# Altium PCB PCB1.PcbDoc (part 8 of 15) (continued)
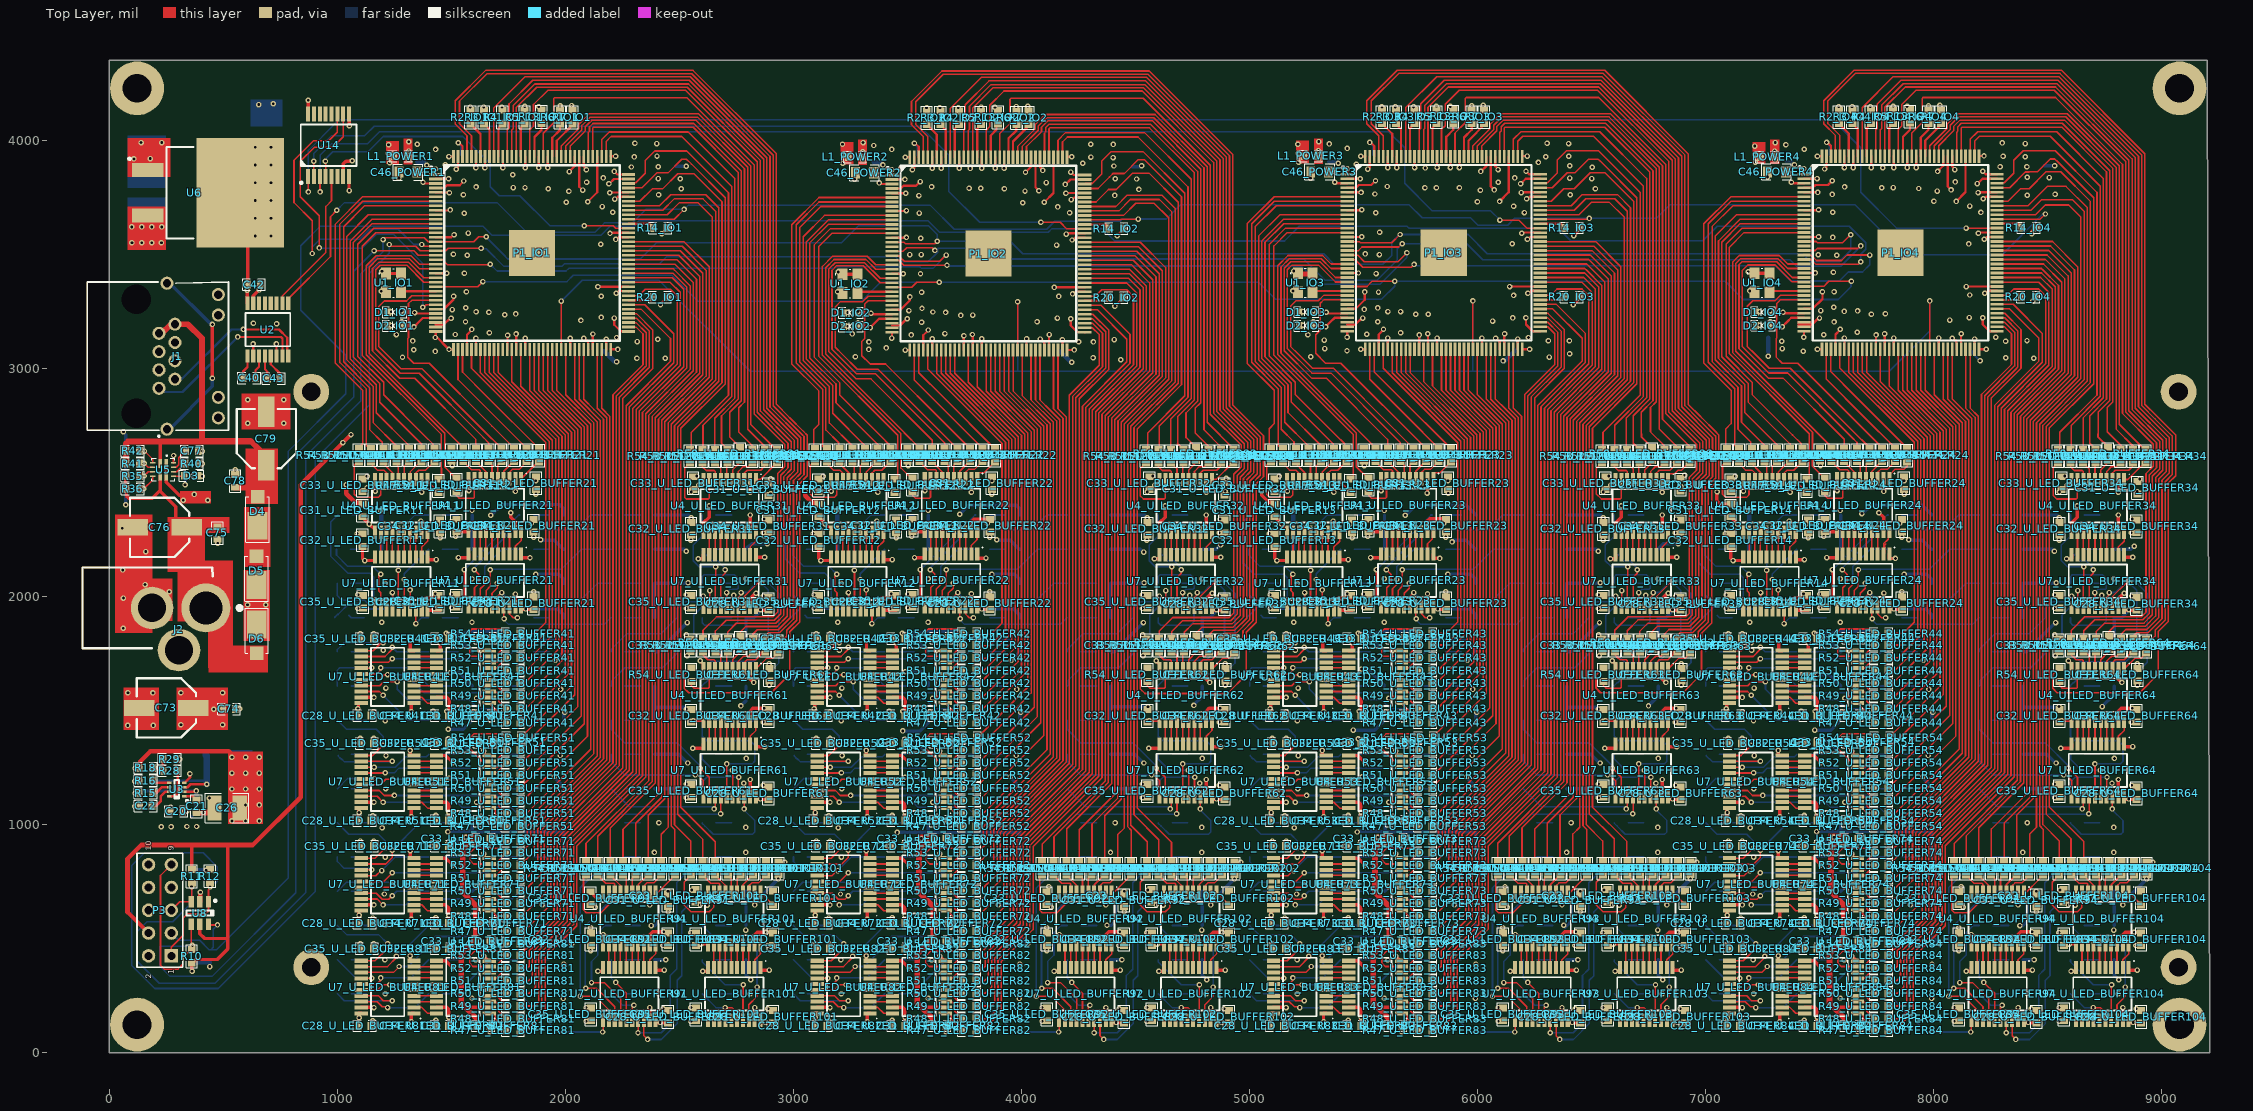
[diagram p0: Top Layer view]
## Nets (pads, with @x,y where several pads share a name; then routed paths per layer and width w, separated by ;. In a path a pad name is that pad's centre, name@x,y a point inside that pad or via, vN(x,y) a via of type N, cw(c..) or ccw(c..) an arc to the next point about the centre after c; other vN are vias at no path point) (continued)
  Bottom Layer w7: R45_U_LED_BUFFER62.2@4200.63,1457.16 4200.63,1417.16 4260.63,1357.16 4490.47,1357.16 4590.63,1257 v2(4590.63,1247.16)
L_OUT7_U_LED_BUFFER63: R45_U_LED_BUFFER63.2 U7_U_LED_BUFFER63.12 | length 648.6
  Top Layer w7: v2(6590.63,1247.16) 6631.06,1206.73 U7_U_LED_BUFFER63.12@6631.06,1121.5
  Bottom Layer w7: R45_U_LED_BUFFER63.2@6200.63,1457.16 6200.63,1417.16 6260.63,1357.16 6490.47,1357.16 6590.63,1257 v2(6590.63,1247.16)
L_OUT7_U_LED_BUFFER64: R45_U_LED_BUFFER64.2 U7_U_LED_BUFFER64.12 | length 648.6
  Top Layer w7: v2(8590.63,1247.16) 8631.06,1206.73 U7_U_LED_BUFFER64.12@8631.06,1121.5
  Bottom Layer w7: R45_U_LED_BUFFER64.2@8200.63,1457.16 8200.63,1417.16 8260.63,1357.16 8490.47,1357.16 8590.63,1257 v2(8590.63,1247.16)
L_OUT7_U_LED_BUFFER71: R45_U_LED_BUFFER71.2 U7_U_LED_BUFFER71.12 | length 389
  Top Layer w7: U7_U_LED_BUFFER71.12@1104.96,826.73 1212.02,826.73 1240.63,855.34 v2(1240.63,887.16)
  Bottom Layer w7: v2(1240.63,887.16) 1360.63,1007.16 R45_U_LED_BUFFER71.2@1400.63,1007.16
L_OUT7_U_LED_BUFFER72: R45_U_LED_BUFFER72.2 U7_U_LED_BUFFER72.12 | length 389
  Top Layer w7: U7_U_LED_BUFFER72.12@3104.96,826.73 3212.02,826.73 3240.63,855.34 v2(3240.63,887.16)
  Bottom Layer w7: v2(3240.63,887.16) 3360.63,1007.16 R45_U_LED_BUFFER72.2@3400.63,1007.16
L_OUT7_U_LED_BUFFER73: R45_U_LED_BUFFER73.2 U7_U_LED_BUFFER73.12 | length 389
  Top Layer w7: U7_U_LED_BUFFER73.12@5104.96,826.73 5212.02,826.73 5240.63,855.34 v2(5240.63,887.16)
  Bottom Layer w7: v2(5240.63,887.16) 5360.63,1007.16 R45_U_LED_BUFFER73.2@5400.63,1007.16
L_OUT7_U_LED_BUFFER74: R45_U_LED_BUFFER74.2 U7_U_LED_BUFFER74.12 | length 389
  Top Layer w7: U7_U_LED_BUFFER74.12@7104.96,826.73 7212.02,826.73 7240.63,855.34 v2(7240.63,887.16)
  Bottom Layer w7: v2(7240.63,887.16) 7360.63,1007.16 R45_U_LED_BUFFER74.2@7400.63,1007.16
L_OUT7_U_LED_BUFFER81: R45_U_LED_BUFFER81.2 U7_U_LED_BUFFER81.12 | length 367.7
  Top Layer w7: U7_U_LED_BUFFER81.12@1104.96,376.73 1220.2,376.73 v2@1260.63,417.16
  Bottom Layer w7: v2@1262.53,419.07 R45_U_LED_BUFFER81.2@1400.63,557.16
  other v2: 1259.5,422.1
L_OUT7_U_LED_BUFFER82: R45_U_LED_BUFFER82.2 U7_U_LED_BUFFER82.12 | length 367.7
  Top Layer w7: U7_U_LED_BUFFER82.12@3104.96,376.73 3220.2,376.73 v2@3260.63,417.16
  Bottom Layer w7: v2@3262.53,419.07 R45_U_LED_BUFFER82.2@3400.63,557.16
  other v2: 3259.5,422.1
L_OUT7_U_LED_BUFFER83: R45_U_LED_BUFFER83.2 U7_U_LED_BUFFER83.12 | length 367.7
  Top Layer w7: U7_U_LED_BUFFER83.12@5104.96,376.73 5220.2,376.73 v2@5260.63,417.16
  Bottom Layer w7: v2@5262.53,419.07 R45_U_LED_BUFFER83.2@5400.63,557.16
  other v2: 5259.5,422.1
L_OUT7_U_LED_BUFFER84: R45_U_LED_BUFFER84.2 U7_U_LED_BUFFER84.12 | length 367.7
  Top Layer w7: U7_U_LED_BUFFER84.12@7104.96,376.73 7220.2,376.73 v2@7260.63,417.16
  Bottom Layer w7: v2@7262.53,419.07 R45_U_LED_BUFFER84.2@7400.63,557.16
  other v2: 7259.5,422.1
L_OUT7_U_LED_BUFFER91: R45_U_LED_BUFFER91.2 U7_U_LED_BUFFER91.12 | length 862
  Top Layer w7: v2(2065.88,245.89) 2131.91,245.89 2191.06,186.73 U7_U_LED_BUFFER91.12@2191.06,141.5
  Bottom Layer w7: v2(2065.88,245.89) 2065.88,722.41 R45_U_LED_BUFFER91.2@2200.63,857.16
L_OUT7_U_LED_BUFFER92: R45_U_LED_BUFFER92.2 U7_U_LED_BUFFER92.12 | length 862
  Top Layer w7: v2(4065.88,245.89) 4131.91,245.89 4191.06,186.73 U7_U_LED_BUFFER92.12@4191.06,141.5
  Bottom Layer w7: v2(4065.88,245.89) 4065.88,722.41 R45_U_LED_BUFFER92.2@4200.63,857.16
L_OUT7_U_LED_BUFFER93: R45_U_LED_BUFFER93.2 U7_U_LED_BUFFER93.12 | length 862
  Top Layer w7: v2(6065.88,245.89) 6131.91,245.89 6191.06,186.73 U7_U_LED_BUFFER93.12@6191.06,141.5
  Bottom Layer w7: v2(6065.88,245.89) 6065.88,722.41 R45_U_LED_BUFFER93.2@6200.63,857.16
L_OUT7_U_LED_BUFFER94: R45_U_LED_BUFFER94.2 U7_U_LED_BUFFER94.12 | length 862
  Top Layer w7: v2(8065.88,245.89) 8131.91,245.89 8191.06,186.73 U7_U_LED_BUFFER94.12@8191.06,141.5
  Bottom Layer w7: v2(8065.88,245.89) 8065.88,722.41 R45_U_LED_BUFFER94.2@8200.63,857.16
L_OUT7_U_LED_BUFFER101: U7_U_LED_BUFFER101.12
L_OUT7_U_LED_BUFFER102: U7_U_LED_BUFFER102.12
L_OUT7_U_LED_BUFFER103: U7_U_LED_BUFFER103.12
L_OUT7_U_LED_BUFFER104: U7_U_LED_BUFFER104.12
L_OUT8_U_LED_BUFFER11: R46_U_LED_BUFFER11.2 U7_U_LED_BUFFER11.11 | length 567.5
  Top Layer w7: U7_U_LED_BUFFER11.11@1165.5,1941.84 v2@1165.5,1985.23 ; v2(1165.47,1985.26) v2@1165.53,1985.26
  Bottom Layer w7: R46_U_LED_BUFFER11.2@1003.33,2357.99 970.63,2325.29 970.63,2177.16 1046.51,2101.29 1143.82,2101.29 1151.92,2093.19 1160.63,2084.48 1160.63,1990.1 v2(1165.47,1985.26)
L_OUT8_U_LED_BUFFER12: R46_U_LED_BUFFER12.2 U7_U_LED_BUFFER12.11 | length 580.1
  Top Layer w7: U7_U_LED_BUFFER12.11@3165.5,1941.84 v2(3165.53,1985.26) ; v2@3165.47,1985.26 v2(3165.53,1985.26)
  Bottom Layer w7: R46_U_LED_BUFFER12.2@3003.33,2357.99 2964.57,2319.22 2964.57,2165.35 3026.95,2102.97 3137.19,2102.97 3165.53,2074.63 v2(3165.53,1985.26)
L_OUT8_U_LED_BUFFER13: R46_U_LED_BUFFER13.2 U7_U_LED_BUFFER13.11 | length 586.6
  Top Layer w7: U7_U_LED_BUFFER13.11@5165.5,1941.84 v2@5165.5,1985.23 ; v2(5165.47,1985.26) v2@5165.53,1985.26
  Bottom Layer w7: R46_U_LED_BUFFER13.2@5003.33,2357.99 4970.63,2325.29 4970.63,2147.3 5020.76,2097.17 5150.63,2097.17 5165.47,2082.32 v2(5165.47,1985.26)
L_OUT8_U_LED_BUFFER14: R46_U_LED_BUFFER14.2 U7_U_LED_BUFFER14.11 | length 586.6
  Top Layer w7: v2(7165.18,1985.16) v2(7165.18,1985.16) ; U7_U_LED_BUFFER14.11@7165.21,1941.75 v2(7165.18,1985.16)
  Bottom Layer w7: R46_U_LED_BUFFER14.2@7003.04,2357.89 6970.34,2325.2 6970.34,2147.21 7020.47,2097.07 7150.34,2097.07 7165.18,2082.23 v2(7165.18,1985.16)
L_OUT8_U_LED_BUFFER21: R46_U_LED_BUFFER21.2 U7_U_LED_BUFFER21.11 | length 514.5
  Top Layer w7: v2@1556.37,2118.07 1556.37,1996.45 1576.07,1976.75 U7_U_LED_BUFFER21.11@1576.07,1954.83
  Bottom Layer w7: v2(1556.73,2117.64) 1640.63,2201.54 1796.25,2357.16 R46_U_LED_BUFFER21.2@1800.63,2357.16
L_OUT8_U_LED_BUFFER22: R46_U_LED_BUFFER22.2 U7_U_LED_BUFFER22.11 | length 514.5
  Top Layer w7: v2@3556.37,2118.07 3556.37,1996.45 3576.07,1976.75 U7_U_LED_BUFFER22.11@3576.07,1954.83
  Bottom Layer w7: v2(3556.73,2117.64) 3640.63,2201.54 3796.25,2357.16 R46_U_LED_BUFFER22.2@3800.63,2357.16
L_OUT8_U_LED_BUFFER23: R46_U_LED_BUFFER23.2 U7_U_LED_BUFFER23.11 | length 514.5
  Top Layer w7: v2@5556.37,2118.07 5556.37,1996.45 5576.07,1976.75 U7_U_LED_BUFFER23.11@5576.07,1954.83
  Bottom Layer w7: v2(5556.73,2117.64) 5640.63,2201.54 5796.25,2357.16 R46_U_LED_BUFFER23.2@5800.63,2357.16
L_OUT8_U_LED_BUFFER24: R46_U_LED_BUFFER24.2 U7_U_LED_BUFFER24.11 | length 514.5
  Top Layer w7: v2@7556.37,2118.07 7556.37,1996.45 7576.07,1976.75 U7_U_LED_BUFFER24.11@7576.07,1954.83
  Bottom Layer w7: v2(7556.73,2117.64) 7640.63,2201.54 7796.25,2357.16 R46_U_LED_BUFFER24.2@7800.63,2357.16
L_OUT8_U_LED_BUFFER31: R46_U_LED_BUFFER31.2 U7_U_LED_BUFFER31.11 | length 585.1
  Top Layer w7: U7_U_LED_BUFFER31.11@2605.47,1951.5 v2@2605.47,2001.25
  Bottom Layer w7: R46_U_LED_BUFFER31.2@2200.63,1757.16 2200.63,1767.16 2270.63,1837.16 2420.63,1837.16 2490.63,1907.16 2490.63,1947.16 2520.63,1977.16 2580.63,1977.16 v2(2605.32,2001.86)
L_OUT8_U_LED_BUFFER32: R46_U_LED_BUFFER32.2 U7_U_LED_BUFFER32.11 | length 585.1
  Top Layer w7: U7_U_LED_BUFFER32.11@4605.47,1951.5 v2@4605.47,2001.25
  Bottom Layer w7: R46_U_LED_BUFFER32.2@4200.63,1757.16 4200.63,1767.16 4270.63,1837.16 4420.63,1837.16 4490.63,1907.16 4490.63,1947.16 4520.63,1977.16 4580.63,1977.16 v2(4605.32,2001.86)
L_OUT8_U_LED_BUFFER33: R46_U_LED_BUFFER33.2 U7_U_LED_BUFFER33.11 | length 585.1
  Top Layer w7: U7_U_LED_BUFFER33.11@6605.47,1951.5 v2@6605.47,2001.25
  Bottom Layer w7: R46_U_LED_BUFFER33.2@6200.63,1757.16 6200.63,1767.16 6270.63,1837.16 6420.63,1837.16 6490.63,1907.16 6490.63,1947.16 6520.63,1977.16 6580.63,1977.16 v2(6605.32,2001.86)
L_OUT8_U_LED_BUFFER34: R46_U_LED_BUFFER34.2 U7_U_LED_BUFFER34.11 | length 585.1
  Top Layer w7: U7_U_LED_BUFFER34.11@8605.47,1951.5 v2@8605.47,2001.25
  Bottom Layer w7: R46_U_LED_BUFFER34.2@8200.63,1757.16 8200.63,1767.16 8270.63,1837.16 8420.63,1837.16 8490.63,1907.16 8490.63,1947.16 8520.63,1977.16 8580.63,1977.16 v2(8605.32,2001.86)
L_OUT8_U_LED_BUFFER41: R46_U_LED_BUFFER41.2 U7_U_LED_BUFFER41.11 | length 332.5
  Top Layer w7: U7_U_LED_BUFFER41.11@1104.96,1762.32 1158.13,1762.32 1192.97,1797.16 v2(1200.63,1797.16)
  Bottom Layer w7: R46_U_LED_BUFFER41.2@1000.63,1757.16 1000.63,1767.16 1030.63,1797.16 v2(1200.63,1797.16)
L_OUT8_U_LED_BUFFER42: R46_U_LED_BUFFER42.2 U7_U_LED_BUFFER42.11 | length 332.5
  Top Layer w7: U7_U_LED_BUFFER42.11@3104.96,1762.32 3158.13,1762.32 3192.97,1797.16 v2(3200.63,1797.16)
  Bottom Layer w7: R46_U_LED_BUFFER42.2@3000.63,1757.16 3000.63,1767.16 3030.63,1797.16 v2(3200.63,1797.16)
L_OUT8_U_LED_BUFFER43: R46_U_LED_BUFFER43.2 U7_U_LED_BUFFER43.11 | length 332.5
  Top Layer w7: U7_U_LED_BUFFER43.11@5104.96,1762.32 5158.13,1762.32 5192.97,1797.16 v2(5200.63,1797.16)
  Bottom Layer w7: R46_U_LED_BUFFER43.2@5000.63,1757.16 5000.63,1767.16 5030.63,1797.16 v2(5200.63,1797.16)
L_OUT8_U_LED_BUFFER44: R46_U_LED_BUFFER44.2 U7_U_LED_BUFFER44.11 | length 332.5
  Top Layer w7: U7_U_LED_BUFFER44.11@7104.96,1762.32 7158.13,1762.32 7192.97,1797.16 v2(7200.63,1797.16)
  Bottom Layer w7: R46_U_LED_BUFFER44.2@7000.63,1757.16 7000.63,1767.16 7030.63,1797.16 v2(7200.63,1797.16)
L_OUT8_U_LED_BUFFER51: R46_U_LED_BUFFER51.2 U7_U_LED_BUFFER51.11 | length 383.2
  Top Layer w7: U7_U_LED_BUFFER51.11@1104.96,1302.32 1155.79,1302.32 v2(1200.63,1347.16)
  Bottom Layer w7: R46_U_LED_BUFFER51.2@1000.63,1457.16 1040.63,1417.16 1170.63,1417.16 1200.63,1387.16 v2(1200.63,1347.16)
L_OUT8_U_LED_BUFFER52: R46_U_LED_BUFFER52.2 U7_U_LED_BUFFER52.11 | length 383.2
  Top Layer w7: U7_U_LED_BUFFER52.11@3104.96,1302.32 3155.79,1302.32 v2(3200.63,1347.16)
  Bottom Layer w7: R46_U_LED_BUFFER52.2@3000.63,1457.16 3040.63,1417.16 3170.63,1417.16 3200.63,1387.16 v2(3200.63,1347.16)
L_OUT8_U_LED_BUFFER53: R46_U_LED_BUFFER53.2 U7_U_LED_BUFFER53.11 | length 383.2
  Top Layer w7: U7_U_LED_BUFFER53.11@5104.96,1302.32 5155.79,1302.32 v2(5200.63,1347.16)
  Bottom Layer w7: R46_U_LED_BUFFER53.2@5000.63,1457.16 5040.63,1417.16 5170.63,1417.16 5200.63,1387.16 v2(5200.63,1347.16)
L_OUT8_U_LED_BUFFER54: R46_U_LED_BUFFER54.2 U7_U_LED_BUFFER54.11 | length 383.2
  Top Layer w7: U7_U_LED_BUFFER54.11@7104.96,1302.32 7155.79,1302.32 v2(7200.63,1347.16)
  Bottom Layer w7: R46_U_LED_BUFFER54.2@7000.63,1457.16 7040.63,1417.16 7170.63,1417.16 7200.63,1387.16 v2(7200.63,1347.16)
L_OUT8_U_LED_BUFFER61: R46_U_LED_BUFFER61.2 U7_U_LED_BUFFER61.11 | length 540.8
  Top Layer w7: v2(2570.63,1217.16) 2580.63,1217.16 2605.47,1192.32 U7_U_LED_BUFFER61.11@2605.47,1121.5
  Bottom Layer w7: R46_U_LED_BUFFER61.2@2200.63,1307.16 2200.63,1277.16 2260.63,1217.16 v2(2570.63,1217.16)
L_OUT8_U_LED_BUFFER62: R46_U_LED_BUFFER62.2 U7_U_LED_BUFFER62.11 | length 540.8
  Top Layer w7: v2(4570.63,1217.16) 4580.63,1217.16 4605.47,1192.32 U7_U_LED_BUFFER62.11@4605.47,1121.5
  Bottom Layer w7: R46_U_LED_BUFFER62.2@4200.63,1307.16 4200.63,1277.16 4260.63,1217.16 v2(4570.63,1217.16)
L_OUT8_U_LED_BUFFER63: R46_U_LED_BUFFER63.2 U7_U_LED_BUFFER63.11 | length 540.8
  Top Layer w7: v2(6570.63,1217.16) 6580.63,1217.16 6605.47,1192.32 U7_U_LED_BUFFER63.11@6605.47,1121.5
  Bottom Layer w7: R46_U_LED_BUFFER63.2@6200.63,1307.16 6200.63,1277.16 6260.63,1217.16 v2(6570.63,1217.16)
L_OUT8_U_LED_BUFFER64: R46_U_LED_BUFFER64.2 U7_U_LED_BUFFER64.11 | length 540.8
  Top Layer w7: v2(8570.63,1217.16) 8580.63,1217.16 8605.47,1192.32 U7_U_LED_BUFFER64.11@8605.47,1121.5
  Bottom Layer w7: R46_U_LED_BUFFER64.2@8200.63,1307.16 8200.63,1277.16 8260.63,1217.16 v2(8570.63,1217.16)
L_OUT8_U_LED_BUFFER71: R46_U_LED_BUFFER71.2 U7_U_LED_BUFFER71.11 | length 397.4
  Top Layer w7: U7_U_LED_BUFFER71.11@1104.96,852.32 1165.79,852.32 v2(1210.63,897.16)
  Bottom Layer w7: R46_U_LED_BUFFER71.2@1000.63,1007.16 1050.63,957.16 1180.63,957.16 1210.63,927.16 v2(1210.63,897.16)
L_OUT8_U_LED_BUFFER72: R46_U_LED_BUFFER72.2 U7_U_LED_BUFFER72.11 | length 397.4
  Top Layer w7: U7_U_LED_BUFFER72.11@3104.96,852.32 3165.79,852.32 v2(3210.63,897.16)
  Bottom Layer w7: R46_U_LED_BUFFER72.2@3000.63,1007.16 3050.63,957.16 3180.63,957.16 3210.63,927.16 v2(3210.63,897.16)
L_OUT8_U_LED_BUFFER73: R46_U_LED_BUFFER73.2 U7_U_LED_BUFFER73.11 | length 397.4
  Top Layer w7: U7_U_LED_BUFFER73.11@5104.96,852.32 5165.79,852.32 v2(5210.63,897.16)
  Bottom Layer w7: R46_U_LED_BUFFER73.2@5000.63,1007.16 5050.63,957.16 5180.63,957.16 5210.63,927.16 v2(5210.63,897.16)
L_OUT8_U_LED_BUFFER74: R46_U_LED_BUFFER74.2 U7_U_LED_BUFFER74.11 | length 397.4
  Top Layer w7: U7_U_LED_BUFFER74.11@7104.96,852.32 7165.79,852.32 v2(7210.63,897.16)
  Bottom Layer w7: R46_U_LED_BUFFER74.2@7000.63,1007.16 7050.63,957.16 7180.63,957.16 7210.63,927.16 v2(7210.63,897.16)
L_OUT8_U_LED_BUFFER81: R46_U_LED_BUFFER81.2 U7_U_LED_BUFFER81.11 | length 411.5
  Top Layer w7: U7_U_LED_BUFFER81.11@1104.96,402.32 1165.79,402.32 1220.63,457.16 v2(1220.63,477.16)
  Bottom Layer w7: R46_U_LED_BUFFER81.2@1000.63,557.16 1040.63,517.16 1180.63,517.16 v2(1220.63,477.16)
L_OUT8_U_LED_BUFFER82: R46_U_LED_BUFFER82.2 U7_U_LED_BUFFER82.11 | length 411.5
  Top Layer w7: U7_U_LED_BUFFER82.11@3104.96,402.32 3165.79,402.32 3220.63,457.16 v2(3220.63,477.16)
  Bottom Layer w7: R46_U_LED_BUFFER82.2@3000.63,557.16 3040.63,517.16 3180.63,517.16 v2(3220.63,477.16)
L_OUT8_U_LED_BUFFER83: R46_U_LED_BUFFER83.2 U7_U_LED_BUFFER83.11 | length 411.5
  Top Layer w7: U7_U_LED_BUFFER83.11@5104.96,402.32 5165.79,402.32 5220.63,457.16 v2(5220.63,477.16)
  Bottom Layer w7: R46_U_LED_BUFFER83.2@5000.63,557.16 5040.63,517.16 5180.63,517.16 v2(5220.63,477.16)
L_OUT8_U_LED_BUFFER84: R46_U_LED_BUFFER84.2 U7_U_LED_BUFFER84.11 | length 411.5
  Top Layer w7: U7_U_LED_BUFFER84.11@7104.96,402.32 7165.79,402.32 7220.63,457.16 v2(7220.63,477.16)
  Bottom Layer w7: R46_U_LED_BUFFER84.2@7000.63,557.16 7040.63,517.16 7180.63,517.16 v2(7220.63,477.16)
L_OUT8_U_LED_BUFFER91: R46_U_LED_BUFFER91.2 U7_U_LED_BUFFER91.11 | length 485.7
  Top Layer w7: v2(2163.09,89.93) 2165.47,92.32 U7_U_LED_BUFFER91.11@2165.47,141.5
  Bottom Layer w7: R46_U_LED_BUFFER91.2@1800.63,257.16 1800.63,254.66 1812.13,243.16 1814.63,243.16 1967.86,89.93 v2(2163.09,89.93)
L_OUT8_U_LED_BUFFER92: R46_U_LED_BUFFER92.2 U7_U_LED_BUFFER92.11 | length 485.7
  Top Layer w7: v2(4163.09,89.93) 4165.47,92.32 U7_U_LED_BUFFER92.11@4165.47,141.5
  Bottom Layer w7: R46_U_LED_BUFFER92.2@3800.63,257.16 3800.63,254.66 3812.13,243.16 3814.63,243.16 3967.86,89.93 v2(4163.09,89.93)
L_OUT8_U_LED_BUFFER93: R46_U_LED_BUFFER93.2 U7_U_LED_BUFFER93.11 | length 485.7
  Top Layer w7: v2(6163.09,89.93) 6165.47,92.32 U7_U_LED_BUFFER93.11@6165.47,141.5
  Bottom Layer w7: R46_U_LED_BUFFER93.2@5800.63,257.16 5800.63,254.66 5812.13,243.16 5814.63,243.16 5967.86,89.93 v2(6163.09,89.93)
L_OUT8_U_LED_BUFFER94: R46_U_LED_BUFFER94.2 U7_U_LED_BUFFER94.11 | length 485.7
  Top Layer w7: v2(8163.09,89.93) 8165.47,92.32 U7_U_LED_BUFFER94.11@8165.47,141.5
  Bottom Layer w7: R46_U_LED_BUFFER94.2@7800.63,257.16 7800.63,254.66 7812.13,243.16 7814.63,243.16 7967.86,89.93 v2(8163.09,89.93)
L_OUT8_U_LED_BUFFER101: U7_U_LED_BUFFER101.11
L_OUT8_U_LED_BUFFER102: U7_U_LED_BUFFER102.11
L_OUT8_U_LED_BUFFER103: U7_U_LED_BUFFER103.11
L_OUT8_U_LED_BUFFER104: U7_U_LED_BUFFER104.11
LED0_IO1: P1_IO1.32 R8_IO1.2 | length 94.4
  Top Layer w10: v2(1338.83,3244.87) 1343.33,3240.36 P1_IO1.32@1431.34,3240.36
LED0_IO2: P1_IO2.32 R8_IO2.2 | length 94.4
  Top Layer w10: v2(3339.93,3242.27) 3344.43,3237.76 P1_IO2.32@3432.44,3237.76
LED0_IO3: P1_IO3.32 R8_IO3.2 | length 94.4
  Top Layer w10: v2(5336.83,3245.72) 5341.33,3241.21 P1_IO3.32@5429.34,3241.21
LED0_IO4: P1_IO4.32 R8_IO4.2 | length 94.4
  Top Layer w10: v2(7339.83,3245.87) 7344.33,3241.36 P1_IO4.32@7432.34,3241.36
LED1_IO1: P1_IO1.33 R21_IO1.2 | length 111.6
  Top Layer w10: v2(1335.83,3181.87) 1358.74,3204.77 1374.64,3220.68 P1_IO1.33@1431.34,3220.68
LED1_IO2: P1_IO2.33 R21_IO2.2 | length 111.6
  Top Layer w10: v2(3336.93,3179.27) 3359.84,3202.17 3375.74,3218.08 P1_IO2.33@3432.44,3218.08
LED1_IO3: P1_IO3.33 R21_IO3.2 | length 111.6
  Top Layer w10: v2(5333.83,3182.72) 5356.74,3205.62 5372.64,3221.53 P1_IO3.33@5429.34,3221.53
LED1_IO4: P1_IO4.33 R21_IO4.2 | length 111.6
  Top Layer w10: v2(7336.83,3182.87) 7359.74,3205.77 7375.64,3221.68 P1_IO4.33@7432.34,3221.68
NetC18_1: C18.1 L4.1 U3.3 | length 472.6
  Top Layer w12: U3.3@329.22,1163.55 344.22,1163.55 357.41,1176.73 v2(427.22,1176.73)
  Bottom Layer w12: C18.1@187.58,1192.13 411.82,1192.13 v2@422.94,1181.01
  Bottom Layer w30: L4.1@422.94,1304.13 427.22,1299.85 v2(427.22,1176.73)
NetC18_2: C18.2 R16.2
  other v2: 110.92,1190.13
NetC21_2: C21.2 U3.1 | length 60.3
  Top Layer w10: U3.1@329.22,1124.18 366.59,1124.18 C21.2@382.82,1107.95
NetC22_2: C22.2 U3.7 | length 113.7
  Top Layer w12: C22.2@187.58,1081.65 204.93,1081.65 226.22,1102.94 226.22,1123.97 246.12,1143.86 U3.7@263.24,1143.86
NetC25_2: C25.2 R18.1 R28.1 R29.1 | length 131.5
  Top Layer w12: R18.1@190.32,1248.03 190.42,1247.93 v2(217.52,1247.93) 224.68,1240.78 230.55,1240.78 R28.1@235.77,1235.55 R29.1@235.77,1286.73
  Bottom Layer w12: C25.2@187.88,1248.03 187.98,1247.93 v2(217.52,1247.93)
NetC77_2: C77.2 U5.11 | length 101.2
  Top Layer w7: U5.11@281.84,2566.21 293.75,2566.21 304.78,2577.24 304.78,2607.9 C77.2@335.22,2638.34
NetD1_IO1_1: D1_IO1.1 R8_IO1.1
  other v2: 1281.93,3251.97
NetD1_IO2_1: D1_IO2.1 R8_IO2.1
  other v2: 3283.03,3249.37
NetD1_IO3_1: D1_IO3.1 R8_IO3.1
  other v2: 5279.93,3252.82
NetD1_IO4_1: D1_IO4.1 R8_IO4.1
  other v2: 7282.93,3252.97
NetD2_IO1_1: D2_IO1.1 R21_IO1.1 | length 18.7
  Bottom Layer w10: R21_IO1.1@1263.63,3203.67 v2(1282.33,3203.67)
NetD2_IO2_1: D2_IO2.1 R21_IO2.1 | length 18.7
  Bottom Layer w10: R21_IO2.1@3264.73,3201.07 v2(3283.43,3201.07)
NetD2_IO3_1: D2_IO3.1 R21_IO3.1 | length 18.7
  Bottom Layer w10: R21_IO3.1@5261.63,3204.51 v2(5280.33,3204.51)
NetD2_IO4_1: D2_IO4.1 R21_IO4.1 | length 18.7
  Bottom Layer w10: R21_IO4.1@7264.63,3204.67 v2(7283.33,3204.67)
NetD3_1: D3.1 R37.2
  other v1: 408.68,2527.64
NetD3_2: D3.2 U5.9 | length 47.8
  Top Layer w7: U5.9@281.84,2526.84 326.32,2526.84 D3.2@328.67,2529.18
NetD4_1: D4.1 D5.2
NetD7_U_LED_BUFFER11_2: D7_U_LED_BUFFER11.2 R9_U_LED_BUFFER11.1 | length 68.5
  Bottom Layer w7: R9_U_LED_BUFFER11.1@1460.63,1907.16 D7_U_LED_BUFFER11.2@1529.14,1907.16
NetD7_U_LED_BUFFER12_2: D7_U_LED_BUFFER12.2 R9_U_LED_BUFFER12.1 | length 68.5
  Bottom Layer w7: R9_U_LED_BUFFER12.1@3460.63,1907.16 D7_U_LED_BUFFER12.2@3529.14,1907.16
NetD7_U_LED_BUFFER13_2: D7_U_LED_BUFFER13.2 R9_U_LED_BUFFER13.1 | length 68.5
  Bottom Layer w7: R9_U_LED_BUFFER13.1@5460.63,1907.16 D7_U_LED_BUFFER13.2@5529.14,1907.16
NetD7_U_LED_BUFFER14_2: D7_U_LED_BUFFER14.2 R9_U_LED_BUFFER14.1 | length 68.5
  Bottom Layer w7: R9_U_LED_BUFFER14.1@7460.63,1907.16 D7_U_LED_BUFFER14.2@7529.14,1907.16
NetD7_U_LED_BUFFER21_2: D7_U_LED_BUFFER21.2 R9_U_LED_BUFFER21.1 | length 68.5
  Bottom Layer w7: R9_U_LED_BUFFER21.1@1860.63,1907.16 D7_U_LED_BUFFER21.2@1929.14,1907.16
NetD7_U_LED_BUFFER22_2: D7_U_LED_BUFFER22.2 R9_U_LED_BUFFER22.1 | length 68.5
  Bottom Layer w7: R9_U_LED_BUFFER22.1@3860.63,1907.16 D7_U_LED_BUFFER22.2@3929.14,1907.16
NetD7_U_LED_BUFFER23_2: D7_U_LED_BUFFER23.2 R9_U_LED_BUFFER23.1 | length 68.5
  Bottom Layer w7: R9_U_LED_BUFFER23.1@5860.63,1907.16 D7_U_LED_BUFFER23.2@5929.14,1907.16
NetD7_U_LED_BUFFER24_2: D7_U_LED_BUFFER24.2 R9_U_LED_BUFFER24.1 | length 68.5
  Bottom Layer w7: R9_U_LED_BUFFER24.1@7860.63,1907.16 D7_U_LED_BUFFER24.2@7929.14,1907.16
NetD7_U_LED_BUFFER31_2: D7_U_LED_BUFFER31.2 R9_U_LED_BUFFER31.1 | length 68.5
  Bottom Layer w7: R9_U_LED_BUFFER31.1@2660.63,1757.16 D7_U_LED_BUFFER31.2@2729.14,1757.16
NetD7_U_LED_BUFFER32_2: D7_U_LED_BUFFER32.2 R9_U_LED_BUFFER32.1 | length 68.5
  Bottom Layer w7: R9_U_LED_BUFFER32.1@4660.63,1757.16 D7_U_LED_BUFFER32.2@4729.14,1757.16
NetD7_U_LED_BUFFER33_2: D7_U_LED_BUFFER33.2 R9_U_LED_BUFFER33.1 | length 68.5
  Bottom Layer w7: R9_U_LED_BUFFER33.1@6660.63,1757.16 D7_U_LED_BUFFER33.2@6729.14,1757.16
NetD7_U_LED_BUFFER34_2: D7_U_LED_BUFFER34.2 R9_U_LED_BUFFER34.1 | length 68.5
  Bottom Layer w7: R9_U_LED_BUFFER34.1@8660.63,1757.16 D7_U_LED_BUFFER34.2@8729.14,1757.16
NetD7_U_LED_BUFFER41_2: D7_U_LED_BUFFER41.2 R9_U_LED_BUFFER41.1 | length 68.5
  Bottom Layer w7: R9_U_LED_BUFFER41.1@1460.63,1457.16 D7_U_LED_BUFFER41.2@1529.14,1457.16
NetD7_U_LED_BUFFER42_2: D7_U_LED_BUFFER42.2 R9_U_LED_BUFFER42.1 | length 68.5
  Bottom Layer w7: R9_U_LED_BUFFER42.1@3460.63,1457.16 D7_U_LED_BUFFER42.2@3529.14,1457.16
NetD7_U_LED_BUFFER43_2: D7_U_LED_BUFFER43.2 R9_U_LED_BUFFER43.1 | length 68.5
  Bottom Layer w7: R9_U_LED_BUFFER43.1@5460.63,1457.16 D7_U_LED_BUFFER43.2@5529.14,1457.16
NetD7_U_LED_BUFFER44_2: D7_U_LED_BUFFER44.2 R9_U_LED_BUFFER44.1 | length 68.5
  Bottom Layer w7: R9_U_LED_BUFFER44.1@7460.63,1457.16 D7_U_LED_BUFFER44.2@7529.14,1457.16
NetD7_U_LED_BUFFER51_2: D7_U_LED_BUFFER51.2 R9_U_LED_BUFFER51.1 | length 68.5
  Bottom Layer w7: R9_U_LED_BUFFER51.1@1860.63,1007.16 D7_U_LED_BUFFER51.2@1929.14,1007.16
NetD7_U_LED_BUFFER52_2: D7_U_LED_BUFFER52.2 R9_U_LED_BUFFER52.1 | length 68.5
  Bottom Layer w7: R9_U_LED_BUFFER52.1@3860.63,1007.16 D7_U_LED_BUFFER52.2@3929.14,1007.16
NetD7_U_LED_BUFFER53_2: D7_U_LED_BUFFER53.2 R9_U_LED_BUFFER53.1 | length 68.5
  Bottom Layer w7: R9_U_LED_BUFFER53.1@5860.63,1007.16 D7_U_LED_BUFFER53.2@5929.14,1007.16
NetD7_U_LED_BUFFER54_2: D7_U_LED_BUFFER54.2 R9_U_LED_BUFFER54.1 | length 68.5
  Bottom Layer w7: R9_U_LED_BUFFER54.1@7860.63,1007.16 D7_U_LED_BUFFER54.2@7929.14,1007.16
NetD7_U_LED_BUFFER61_2: D7_U_LED_BUFFER61.2 R9_U_LED_BUFFER61.1 | length 68.5
  Bottom Layer w7: R9_U_LED_BUFFER61.1@2660.63,1007.16 D7_U_LED_BUFFER61.2@2729.14,1007.16
NetD7_U_LED_BUFFER62_2: D7_U_LED_BUFFER62.2 R9_U_LED_BUFFER62.1 | length 68.5
  Bottom Layer w7: R9_U_LED_BUFFER62.1@4660.63,1007.16 D7_U_LED_BUFFER62.2@4729.14,1007.16
NetD7_U_LED_BUFFER63_2: D7_U_LED_BUFFER63.2 R9_U_LED_BUFFER63.1 | length 68.5
  Bottom Layer w7: R9_U_LED_BUFFER63.1@6660.63,1007.16 D7_U_LED_BUFFER63.2@6729.14,1007.16
NetD7_U_LED_BUFFER64_2: D7_U_LED_BUFFER64.2 R9_U_LED_BUFFER64.1 | length 68.5
  Bottom Layer w7: R9_U_LED_BUFFER64.1@8660.63,1007.16 D7_U_LED_BUFFER64.2@8729.14,1007.16
NetD7_U_LED_BUFFER71_2: D7_U_LED_BUFFER71.2 R9_U_LED_BUFFER71.1 | length 68.5
  Bottom Layer w7: R9_U_LED_BUFFER71.1@1860.63,707.16 D7_U_LED_BUFFER71.2@1929.14,707.16
NetD7_U_LED_BUFFER72_2: D7_U_LED_BUFFER72.2 R9_U_LED_BUFFER72.1 | length 68.5
  Bottom Layer w7: R9_U_LED_BUFFER72.1@3860.63,707.16 D7_U_LED_BUFFER72.2@3929.14,707.16
NetD7_U_LED_BUFFER73_2: D7_U_LED_BUFFER73.2 R9_U_LED_BUFFER73.1 | length 68.5
  Bottom Layer w7: R9_U_LED_BUFFER73.1@5860.63,707.16 D7_U_LED_BUFFER73.2@5929.14,707.16
NetD7_U_LED_BUFFER74_2: D7_U_LED_BUFFER74.2 R9_U_LED_BUFFER74.1 | length 68.5
  Bottom Layer w7: R9_U_LED_BUFFER74.1@7860.63,707.16 D7_U_LED_BUFFER74.2@7929.14,707.16
NetD7_U_LED_BUFFER81_2: D7_U_LED_BUFFER81.2 R9_U_LED_BUFFER81.1 | length 68.5
  Bottom Layer w7: R9_U_LED_BUFFER81.1@1460.63,257.16 D7_U_LED_BUFFER81.2@1529.14,257.16
NetD7_U_LED_BUFFER82_2: D7_U_LED_BUFFER82.2 R9_U_LED_BUFFER82.1 | length 68.5
  Bottom Layer w7: R9_U_LED_BUFFER82.1@3460.63,257.16 D7_U_LED_BUFFER82.2@3529.14,257.16
NetD7_U_LED_BUFFER83_2: D7_U_LED_BUFFER83.2 R9_U_LED_BUFFER83.1 | length 68.5
  Bottom Layer w7: R9_U_LED_BUFFER83.1@5460.63,257.16 D7_U_LED_BUFFER83.2@5529.14,257.16
NetD7_U_LED_BUFFER84_2: D7_U_LED_BUFFER84.2 R9_U_LED_BUFFER84.1 | length 68.5
  Bottom Layer w7: R9_U_LED_BUFFER84.1@7460.63,257.16 D7_U_LED_BUFFER84.2@7529.14,257.16
NetD7_U_LED_BUFFER91_2: D7_U_LED_BUFFER91.2 R9_U_LED_BUFFER91.1 | length 68.5
  Bottom Layer w7: R9_U_LED_BUFFER91.1@2660.63,707.16 D7_U_LED_BUFFER91.2@2729.14,707.16
NetD7_U_LED_BUFFER92_2: D7_U_LED_BUFFER92.2 R9_U_LED_BUFFER92.1 | length 68.5
  Bottom Layer w7: R9_U_LED_BUFFER92.1@4660.63,707.16 D7_U_LED_BUFFER92.2@4729.14,707.16
NetD7_U_LED_BUFFER93_2: D7_U_LED_BUFFER93.2 R9_U_LED_BUFFER93.1 | length 68.5
  Bottom Layer w7: R9_U_LED_BUFFER93.1@6660.63,707.16 D7_U_LED_BUFFER93.2@6729.14,707.16
NetD7_U_LED_BUFFER94_2: D7_U_LED_BUFFER94.2 R9_U_LED_BUFFER94.1 | length 68.5
  Bottom Layer w7: R9_U_LED_BUFFER94.1@8660.63,707.16 D7_U_LED_BUFFER94.2@8729.14,707.16
NetD7_U_LED_BUFFER101_2: D7_U_LED_BUFFER101.2 R9_U_LED_BUFFER101.1 | length 68.5
  Bottom Layer w7: R9_U_LED_BUFFER101.1@2660.63,557.16 D7_U_LED_BUFFER101.2@2729.14,557.16
NetD7_U_LED_BUFFER102_2: D7_U_LED_BUFFER102.2 R9_U_LED_BUFFER102.1 | length 68.5
  Bottom Layer w7: R9_U_LED_BUFFER102.1@4660.63,557.16 D7_U_LED_BUFFER102.2@4729.14,557.16
NetD7_U_LED_BUFFER103_2: D7_U_LED_BUFFER103.2 R9_U_LED_BUFFER103.1 | length 68.5
  Bottom Layer w7: R9_U_LED_BUFFER103.1@6660.63,557.16 D7_U_LED_BUFFER103.2@6729.14,557.16
NetD7_U_LED_BUFFER104_2: D7_U_LED_BUFFER104.2 R9_U_LED_BUFFER104.1 | length 68.5
  Bottom Layer w7: R9_U_LED_BUFFER104.1@8660.63,557.16 D7_U_LED_BUFFER104.2@8729.14,557.16
NetD8_U_LED_BUFFER11_2: D8_U_LED_BUFFER11.2 R17_U_LED_BUFFER11.1 | length 68.5
  Bottom Layer w7: R17_U_LED_BUFFER11.1@1460.63,2057.16 D8_U_LED_BUFFER11.2@1529.14,2057.16
NetD8_U_LED_BUFFER12_2: D8_U_LED_BUFFER12.2 R17_U_LED_BUFFER12.1 | length 68.5
  Bottom Layer w7: R17_U_LED_BUFFER12.1@3460.63,2057.16 D8_U_LED_BUFFER12.2@3529.14,2057.16
NetD8_U_LED_BUFFER13_2: D8_U_LED_BUFFER13.2 R17_U_LED_BUFFER13.1 | length 68.5
  Bottom Layer w7: R17_U_LED_BUFFER13.1@5460.63,2057.16 D8_U_LED_BUFFER13.2@5529.14,2057.16
NetD8_U_LED_BUFFER14_2: D8_U_LED_BUFFER14.2 R17_U_LED_BUFFER14.1 | length 68.5
  Bottom Layer w7: R17_U_LED_BUFFER14.1@7460.63,2057.16 D8_U_LED_BUFFER14.2@7529.14,2057.16
NetD8_U_LED_BUFFER21_2: D8_U_LED_BUFFER21.2 R17_U_LED_BUFFER21.1 | length 68.5
  Bottom Layer w7: R17_U_LED_BUFFER21.1@2260.63,1907.16 D8_U_LED_BUFFER21.2@2329.14,1907.16
NetD8_U_LED_BUFFER22_2: D8_U_LED_BUFFER22.2 R17_U_LED_BUFFER22.1 | length 68.5
  Bottom Layer w7: R17_U_LED_BUFFER22.1@4260.63,1907.16 D8_U_LED_BUFFER22.2@4329.14,1907.16
NetD8_U_LED_BUFFER23_2: D8_U_LED_BUFFER23.2 R17_U_LED_BUFFER23.1 | length 68.5
  Bottom Layer w7: R17_U_LED_BUFFER23.1@6260.63,1907.16 D8_U_LED_BUFFER23.2@6329.14,1907.16
NetD8_U_LED_BUFFER24_2: D8_U_LED_BUFFER24.2 R17_U_LED_BUFFER24.1 | length 68.5
  Bottom Layer w7: R17_U_LED_BUFFER24.1@8260.63,1907.16 D8_U_LED_BUFFER24.2@8329.14,1907.16
NetD8_U_LED_BUFFER31_2: D8_U_LED_BUFFER31.2 R17_U_LED_BUFFER31.1 | length 68.5
  Bottom Layer w7: R17_U_LED_BUFFER31.1@2660.63,1607.16 D8_U_LED_BUFFER31.2@2729.14,1607.16